# Altium PCB PCB SOM AM625.PcbDoc (part 5 of 6)
Units mm, origin at the board's own origin, x right, y up, seen from the top; angles counter-clockwise.
Board outline 92 x 91 mm, 6 copper layers (Top Layer, Layer 1, Layer 3, Layer 4, Layer 2, Bottom Layer), stack 1.56 mm thick; 479 components, 370 nets, 1722 pads, 744 vias.
Unrouted connection lines stored in the file: 13.
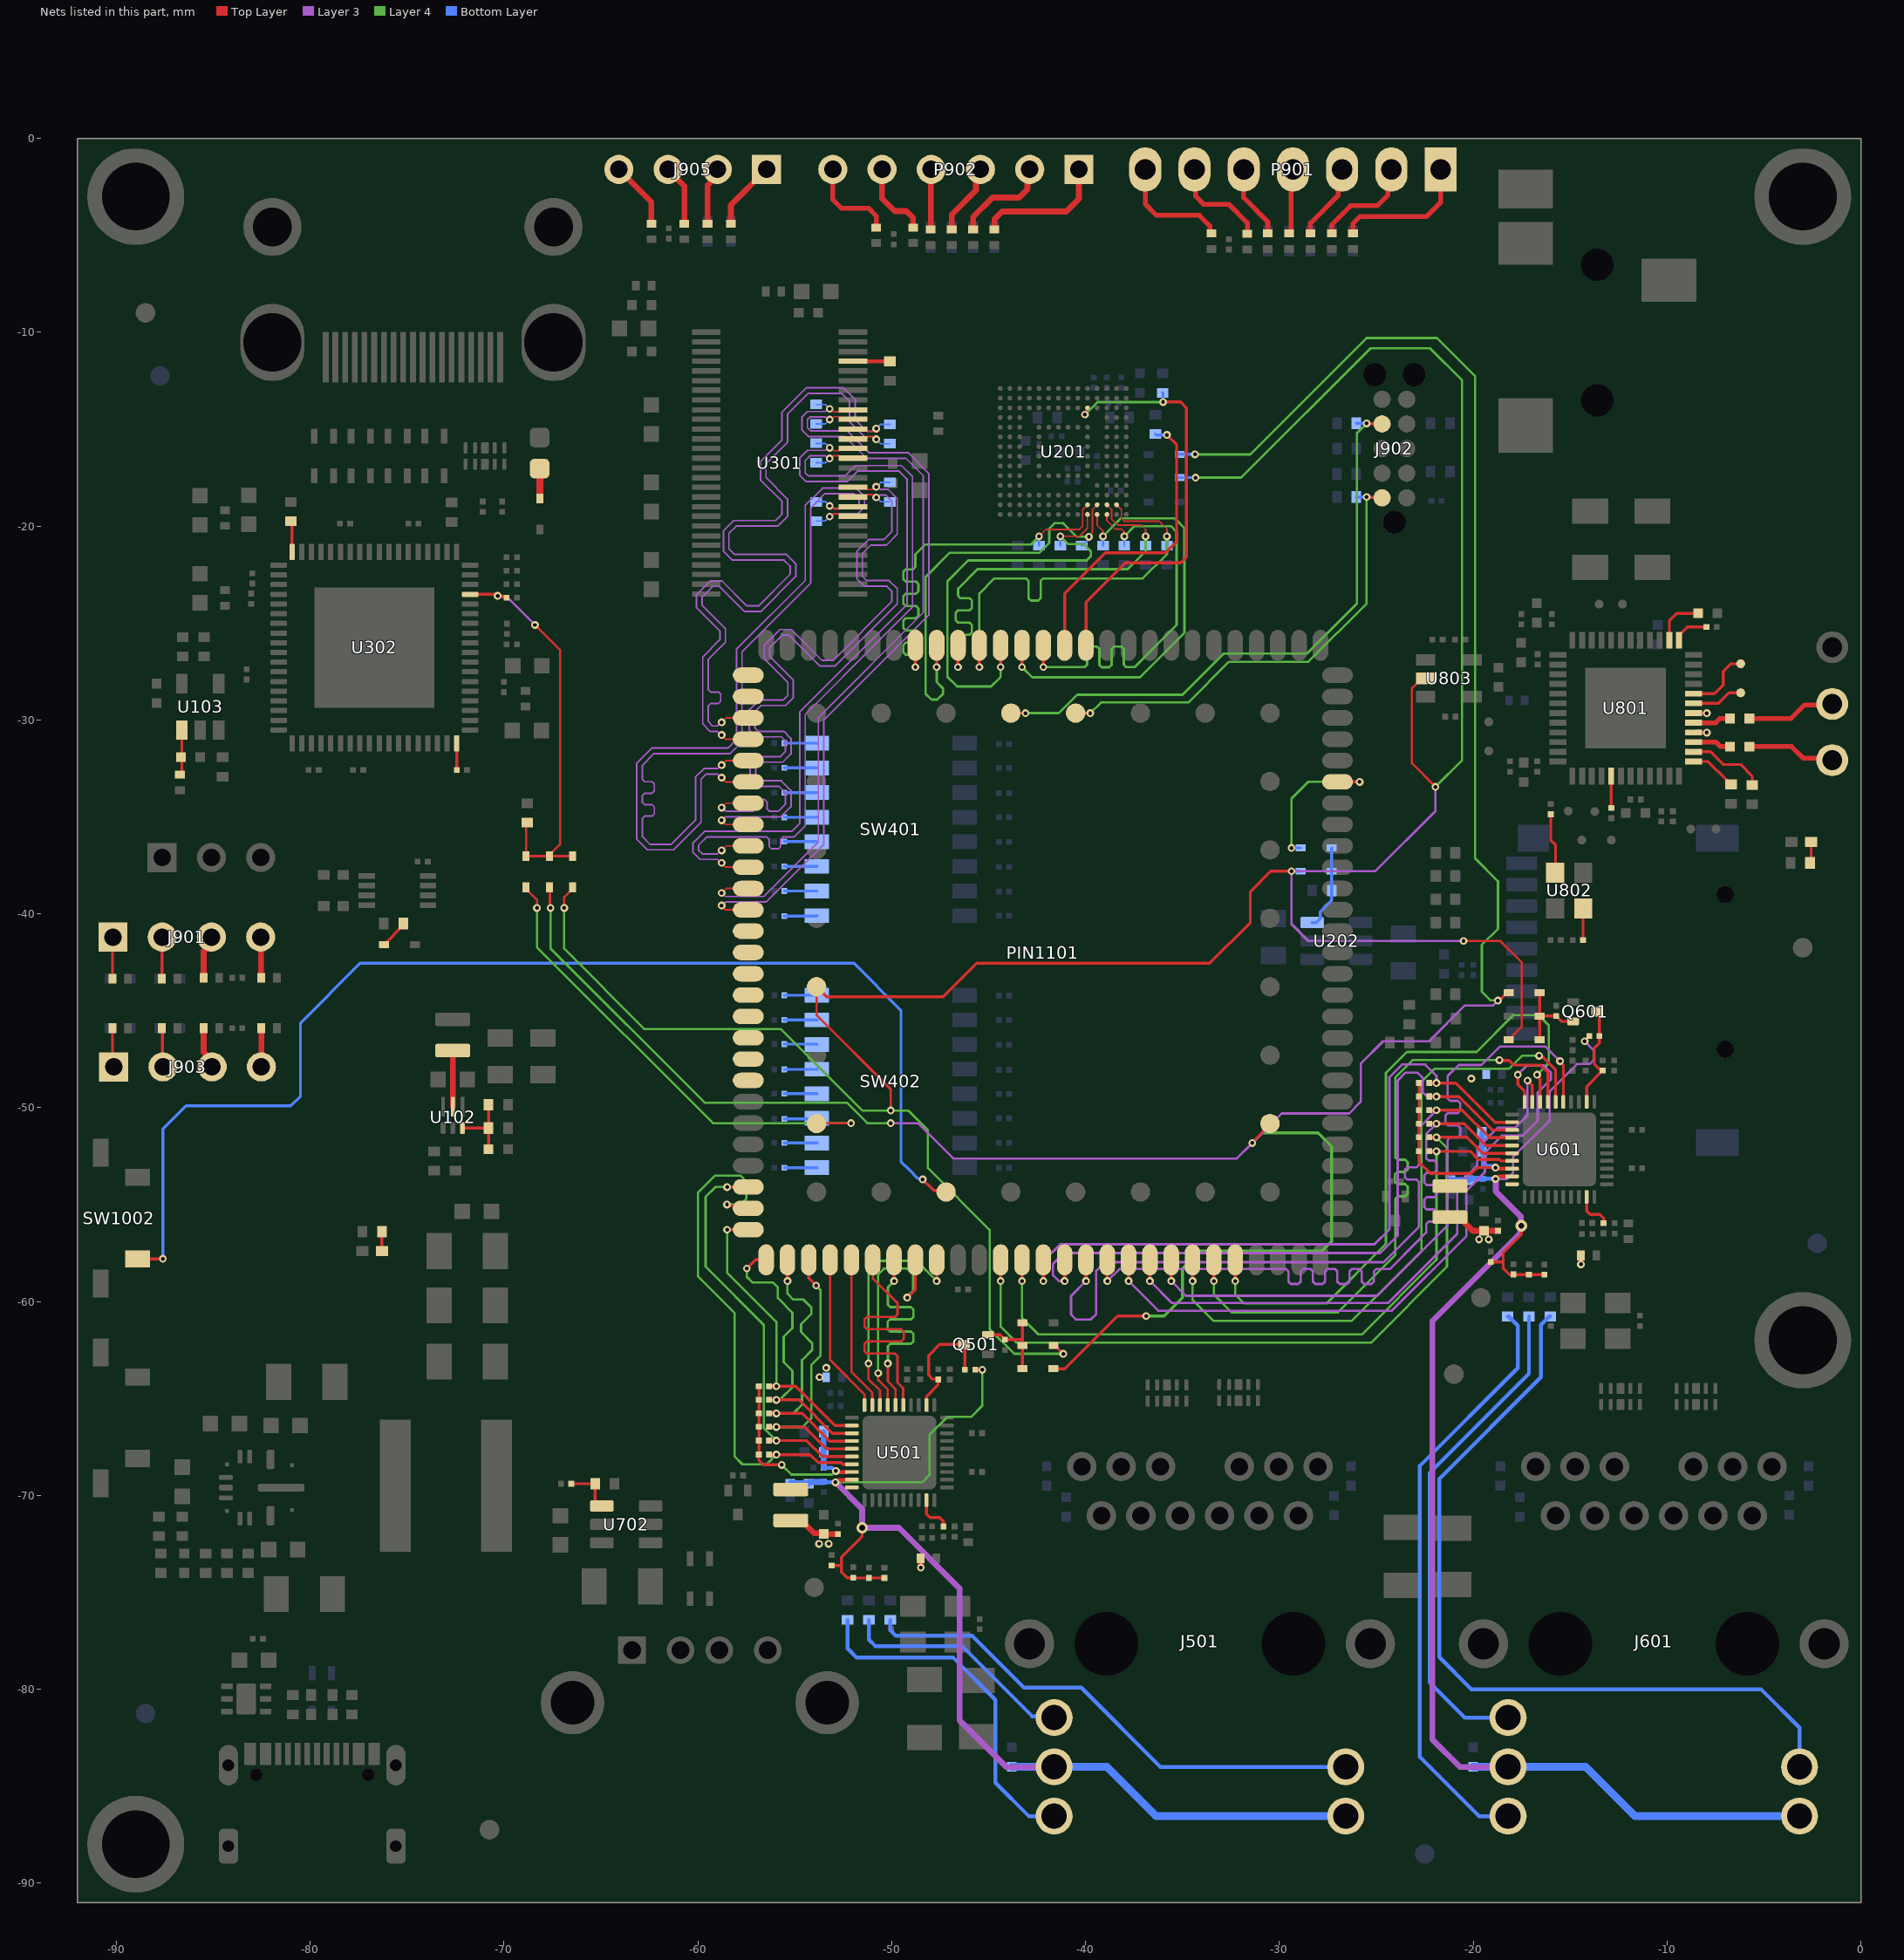
[diagram p9: the nets of this part, all layers, seen from the top]

## Via types
v1: diameter 0.4, hole 0.2, Top Layer to Bottom Layer, tented both sides, 699 vias
v2: diameter 0.8, hole 0.4, Top Layer to Bottom Layer, tented both sides, 41 vias
v3: diameter 0.6, hole 0.3, Top Layer to Bottom Layer, tented both sides, 4 vias

## Nets (pads, with @x,y where several pads share a name; then routed paths per layer and width w, separated by ;. In a path a pad name is that pad's centre, name@x,y a point inside that pad or via, vN(x,y) a via of type N, cw(c..) or ccw(c..) an arc to the next point about the centre after c; other vN are vias at no path point) (continued)
NetC113_1: C113.1 R109.1 R110.1 U102.3 | length 3.6
  Top Layer w0.15: U102.3@-72.145,-51.052 -70.802,-51.052 R109.1@-70.8,-51.05 ; C113.1@-70.8,-52.15 R109.1@-70.8,-51.05 ; R110.1@-70.8,-49.85 R109.1@-70.8,-51.05
NetC116_1: C116.1 FB101.2 U103.1 | length 2.3
  Top Layer w0.15: FB101.2@-86.725,-32.825 -86.625,-32.725 U103.1@-86.625,-30.525
NetC705_1: C705.1 R703.2 U702.1 | length 2.6
  Top Layer w0.15: C705.1@-66.535,-69.4 R703.2@-65.3,-69.4 -65.3,-70.335 -65.085,-70.55 U702.1@-64.955,-70.55
NetC811_1: C811.1 U801.3 | length 2
  Top Layer w0.25: U801.3@-8.631,-31.144 -7.481,-31.144 -7.25,-31.375 C811.1@-6.75,-31.375
NetC811_2: C811.2 TP801.1 | length 4.6
  Top Layer w0.25: C811.2@-5.75,-31.375 -3.575,-31.375 -2.975,-31.975 -1.575,-31.975 TP801.1@-1.475,-32.075
NetC812_1: C812.1 U801.5 | length 2
  Top Layer w0.25: U801.5@-8.631,-30.144 -7.494,-30.144 -7.275,-29.925 C812.1@-6.75,-29.925
NetC812_2: C812.2 TP802.1 | length 4.6
  Top Layer w0.25: C812.2@-5.75,-29.925 -3.6,-29.925 -2.9,-29.225 -1.525,-29.225 TP802.1@-1.475,-29.175
NetC813_1: C813.1 U801.4 | length 1.1
  Top Layer w0.15: U801.4@-8.631,-30.643 -8.628,-30.647 -7.953,-30.647 v1(-7.95,-30.65)
  Bottom Layer w0.15: C813.1@-8.36,-30.65 v1(-7.95,-30.65)
NetC814_1: C814.1 U801.6 | length 1.1
  Top Layer w0.15: U801.6@-8.631,-29.643 -8.628,-29.647 -7.953,-29.647 v1(-7.95,-29.65)
  Bottom Layer w0.15: C814.1@-8.36,-29.65 v1(-7.95,-29.65)
NetC817_2: C817.2 U801.14 | length 2.7
  Top Layer w0.15: U801.14@-9.881,-25.893 -9.881,-24.881 -9.5,-24.5 C817.2@-8.4,-24.5
NetD204_1: D204.1 D205.1 R214.1 U202.3 | length 4.4
  Bottom Layer w0.15: U202.3@-28.31,-40.45 -28.098,-40.45 -27.883,-40.235 -27.883,-39.883 -27.3,-39.3 R214.1@-27.3,-38.8 D205.1@-27.3,-37.8 D204.1@-27.3,-36.6
NetD301_2: D301.2 F301.1 | length 1.5
  Top Layer w0.35: F301.1@-68.164,-17.034 -68.153,-17.046 -68.153,-18.572 D301.2@-68.15,-18.575
NetD503_1: D503.1 D504.1 D505.1 Q501.2 R524.1 | length 4.3
  Top Layer w0.15: Q501.2@-45.03,-61.725 -44.4,-61.725 R524.1@-44.155,-61.97 -43.255,-61.97 ; D504.1@-43.255,-63.47 D503.1@-43.255,-61.07
NetD603_1: D603.1 D604.1 D605.1 Q601.2 R624.1 | length 4.3
  Top Layer w0.15: D605.1@-16.575,-46.5 D603.1@-16.575,-45.275 ; D604.1@-16.575,-44.075 D603.1@-16.575,-45.275 ; Q601.2@-14.845,-45.55 -15.45,-45.55 R624.1@-15.725,-45.275 D603.1@-16.575,-45.275
NetD905_2: D905.2 R907.2 | length 1.6
  Top Layer w0.15: D905.2@-76.2,-41.6 -76.124,-41.6 -76.021,-41.497 -76.021,-41.421 -75.375,-40.775 -75.375,-40.675 R907.2@-75.2,-40.5
NetFB901_1: FB901.1 J901.1 | length 2.1
  Top Layer w0.15: FB901.1@-90.2,-43.34 -90.2,-41.22 J901.1@-90.18,-41.2
NetFB902_1: FB902.1 J901.2 | length 2.1
  Top Layer w0.15: FB902.1@-87.65,-43.34 -87.645,-43.335 -87.645,-41.205 J901.2@-87.64,-41.2
NetFB903_1: FB903.1 J901.3 | length 2.3
  Top Layer w0.3: FB903.1@-85.5,-43.3 -85.5,-41.925 -85.1,-41.525 J901.3@-85.1,-41.2
NetFB904_1: FB904.1 J901.4 | length 2.1
  Top Layer w0.3: J901.4@-82.56,-41.2 -82.543,-41.217 -82.543,-43.282 FB904.1@-82.525,-43.3
NetFB905_1: FB905.1 J903.1 | length 2
  Top Layer w0.15: FB905.1@-90.2,-45.9 -90.2,-47.84 J903.1@-90.14,-47.9
NetFB906_1: FB906.1 J903.2 | length 2
  Top Layer w0.15: FB906.1@-87.65,-45.9 -87.625,-45.925 -87.625,-47.875 J903.2@-87.6,-47.9
NetFB907_1: FB907.1 J903.3 | length 2.2
  Top Layer w0.3: FB907.1@-85.5,-45.9 -85.5,-47.135 -85.06,-47.575 J903.3@-85.06,-47.9
NetFB908_1: FB908.1 J903.4 | length 2
  Top Layer w0.3: FB908.1@-82.525,-45.9 -82.522,-45.902 -82.522,-47.897 J903.4@-82.52,-47.9
NetFB909_1: FB909.1 J905.1 | length 3.6
  Top Layer w0.3: FB909.1@-58.3,-4.4 -58.3,-3.44 J905.1@-56.46,-1.6
NetFB910_1: FB910.1 J905.2 | length 3
  Top Layer w0.3: FB910.1@-59.5,-4.4 -59.5,-2.425 -59,-1.925 J905.2@-59,-1.6
NetFB911_1: FB911.1 J905.3 | length 3.1
  Top Layer w0.3: J905.3@-61.54,-1.6 -61.54,-1.617 -60.7,-2.457 FB911.1@-60.7,-4.4
NetFB912_1: FB912.1 J905.4 | length 3.5
  Top Layer w0.3: J905.4@-64.08,-1.6 -62.4,-3.28 FB912.1@-62.4,-4.4
NetFB913_1: FB913.1 P901.1 | length 7.2
  Top Layer w0.25: FB913.1@-26.2,-4.9 -26.2,-4.385 -25.84,-4.025 -22.4,-4.025 -21.68,-3.305 P901.1@-21.68,-1.6
NetFB914_1: FB914.1 P902.1 | length 6.8
  Top Layer w0.3: FB914.1@-44.7,-4.7 -44.7,-4.175 -44.3,-3.775 -41,-3.775 -40.34,-3.115 P902.1@-40.34,-1.6
NetFB915_1: FB915.1 P901.2 | length 5.4
  Top Layer w0.25: FB915.1@-27.3,-4.9 -27.3,-4.45 -26.325,-3.475 -24.95,-3.475 -24.405,-2.93 -24.405,-1.785 P901.2@-24.22,-1.6
NetFB916_1: FB916.1 P902.2 | length 4.9
  Top Layer w0.3: FB916.1@-45.8,-4.7 -45.8,-4.05 -44.8,-3.05 -43.425,-3.05 -43,-2.625 P902.2@-43,-1.72
NetFB917_1: FB917.1 P901.3 | length 4
  Top Layer w0.25: FB917.1@-28.4,-4.9 -28.4,-4.375 -26.975,-2.95 -26.975,-1.815 P901.3@-26.76,-1.6
NetFB918_1: FB918.1 P902.3 | length 3.4
  Top Layer w0.3: FB918.1@-46.9,-4.7 -46.9,-3.925 -45.65,-2.675 P902.3@-45.65,-1.83
NetFB919_1: FB919.1 P901.4 | length 3.4
  Top Layer w0.25: FB919.1@-29.5,-4.9 -29.475,-4.9 -29.4,-4.825 -29.4,-1.7 P901.4@-29.3,-1.6
NetFB920_1: FB920.1 P902.4 | length 3.1
  Top Layer w0.3: FB920.1@-48,-4.7 -47.98,-4.68 P902.4@-47.98,-1.62
NetFB921_1: FB921.1 P901.5 | length 3.8
  Top Layer w0.25: P901.5@-31.84,-1.6 -31.84,-3.06 -30.6,-4.3 FB921.1@-30.6,-4.9
NetFB922_1: FB922.1 P902.5 | length 4
  Top Layer w0.3: P902.5@-50.5,-1.6 -50.5,-3.1 -49.85,-3.75 -49.25,-3.75 -48.9,-4.1 FB922.1@-48.9,-4.6
NetFB923_1: FB923.1 P901.6 | length 5.2
  Top Layer w0.25: P901.6@-34.38,-1.6 -34.328,-1.652 -34.328,-2.972 -33.9,-3.4 -32.6,-3.4 -31.65,-4.35 FB923.1@-31.65,-4.925
NetFB924_1: FB924.1 P902.6 | length 4.7
  Top Layer w0.25: P902.6@-53.04,-1.6 -53.04,-3.16 -52.6,-3.6 -51.2,-3.6 -50.8,-4 FB924.1@-50.8,-4.6
NetFB925_1: FB925.1 P901.7 | length 6
  Top Layer w0.25: P901.7@-36.92,-1.6 -36.92,-3.38 -36.333,-3.967 -34.127,-3.967 -33.587,-4.507 -33.587,-4.825 -33.512,-4.9 FB925.1@-33.5,-4.9
NetJ501_13: J501.13 R508.2 | length 26.9
  Bottom Layer w0.2: R508.2@-50.075,-76.425 -50.075,-76.95 -49.775,-77.25 -45.85,-77.25 -43.175,-79.925 -40.225,-79.925 -36.143,-84.007 J501.13@-26.582,-84.007
NetJ501_15: J501.15 R506.2 | length 12.2
  Bottom Layer w0.2: R506.2@-51.175,-76.425 -51.175,-77.45 -50.85,-77.775 -46.375,-77.775 -42.754,-81.396 -41.689,-81.396 J501.15@-41.618,-81.467
NetJ501_17: J501.17 R507.2 | length 18.2
  Bottom Layer w0.2: R507.2@-52.275,-76.425 -52.275,-77.9 -51.8,-78.375 -46.825,-78.375 -44.65,-80.55 -44.65,-84.825 -42.928,-86.547 J501.17@-41.618,-86.547
NetJ601_13: J601.13 R608.2 | length 42.1
  Bottom Layer w0.2: R608.2@-16.025,-60.775 -16.075,-60.775 -16.5,-61.2 -16.5,-63.9 -21.75,-69.15 -21.75,-78.35 -20.1,-80 -5.15,-80 -3.163,-81.987 J601.13@-3.163,-84.007
NetJ601_15: J601.15 R606.2 | length 25.8
  Bottom Layer w0.2: J601.15@-18.2,-81.467 -20.433,-81.467 -22.25,-79.65 -22.25,-68.85 -17.125,-63.725 R606.2@-17.125,-60.775
NetJ601_17: J601.17 R607.2 | length 30.9
  Bottom Layer w0.2: R607.2@-18.225,-60.775 -18.175,-60.775 -17.7,-61.25 -17.7,-63.425 -22.75,-68.475 -22.75,-83.5 -19.703,-86.547 J601.17@-18.2,-86.547
NetL102_1: L102.1 U102.5 | length 2.9
  Top Layer w0.3: L102.1@-72.65,-47.05 -72.645,-47.055 U102.5@-72.645,-49.952
NetLED1001_1: LED1001.1 R1001.1 | length 1.1
  Top Layer w0.15: R1001.1@-2.625,-37.375 -2.567,-37.317 LED1001.1@-2.567,-36.3
NetLED1002_1: LED1002.1 R1002.1 | length 1
  Top Layer w0.15: R1002.1@-76.3,-56.4 -76.3,-57.392 LED1002.1@-76.292,-57.4
NetR309_1: R309.1 U302.72 | length 1.6
  Top Layer w0.15: R309.1@-81,-19.75 -80.939,-19.811 U302.72@-80.939,-21.334
NetR313_2: R313.2 U302.36 | length 1.4
  Top Layer w0.15: R313.2@-72.44,-32.575 U302.36@-72.439,-31.204
NetR401_1: R401.1 SW401.16 | length 1.7
  Bottom Layer w0.15: R401.1@-55.535,-31.2 -53.865,-31.2 SW401.16@-53.86,-31.205
NetR402_1: R402.1 SW401.15 | length 1.7
  Bottom Layer w0.15: R402.1@-55.535,-32.475 SW401.15@-53.86,-32.475
NetR403_1: R403.1 SW401.14 | length 1.7
  Bottom Layer w0.15: R403.1@-55.535,-33.75 -53.865,-33.75 SW401.14@-53.86,-33.745
NetR404_1: R404.1 SW401.13 | length 1.7
  Bottom Layer w0.15: R404.1@-55.535,-35.025 -53.87,-35.025 SW401.13@-53.86,-35.015
NetR405_1: R405.1 SW401.12 | length 1.7
  Bottom Layer w0.15: R405.1@-55.535,-36.275 -53.87,-36.275 SW401.12@-53.86,-36.285
NetR406_1: R406.1 SW401.11 | length 1.7
  Bottom Layer w0.15: R406.1@-55.535,-37.55 -53.865,-37.55 SW401.11@-53.86,-37.555
NetR407_1: R407.1 SW401.10 | length 1.7
  Bottom Layer w0.15: R407.1@-55.535,-38.825 SW401.10@-53.86,-38.825
NetR408_1: R408.1 SW401.9 | length 1.7
  Bottom Layer w0.15: R408.1@-55.535,-40.125 -53.89,-40.125 SW401.9@-53.86,-40.095
NetR409_1: R409.1 SW402.16 | length 1.7
  Bottom Layer w0.15: R409.1@-55.535,-44.2 -53.865,-44.2 SW402.16@-53.86,-44.205
NetR410_1: R410.1 SW402.15 | length 1.7
  Bottom Layer w0.15: R410.1@-55.535,-45.475 SW402.15@-53.86,-45.475
NetR411_1: R411.1 SW402.14 | length 1.7
  Bottom Layer w0.15: R411.1@-55.535,-46.725 -53.88,-46.725 SW402.14@-53.86,-46.745
NetR412_1: R412.1 SW402.13 | length 1.7
  Bottom Layer w0.15: R412.1@-55.535,-48.025 -53.87,-48.025 SW402.13@-53.86,-48.015
NetR413_1: R413.1 SW402.12 | length 1.7
  Bottom Layer w0.15: R413.1@-55.535,-49.275 -53.87,-49.275 SW402.12@-53.86,-49.285
NetR414_1: R414.1 SW402.11 | length 1.7
  Bottom Layer w0.15: R414.1@-55.535,-50.575 -53.88,-50.575 SW402.11@-53.86,-50.555
NetR415_1: R415.1 SW402.10 | length 1.7
  Bottom Layer w0.15: R415.1@-55.535,-51.825 SW402.10@-53.86,-51.825
NetR416_1: R416.1 SW402.9 | length 1.7
  Bottom Layer w0.15: R416.1@-55.535,-53.1 -53.865,-53.1 SW402.9@-53.86,-53.095
NetR803_2: R803.2 U801.13 | length 1.9
  Top Layer w0.15: U801.13@-9.381,-25.893 -9.381,-25.614 -9.304,-25.537 -9.289,-25.537 -8.952,-25.2 R803.2@-7.965,-25.2
NetR804_2: R804.2 U801.41 | length 1.6
  Top Layer w0.15: U801.41@-12.881,-32.894 -12.878,-32.897 -12.878,-34.532 R804.2@-12.875,-34.535
NetR805_2: R805.2 U801.2 | length 4
  Top Layer w0.15: U801.2@-8.631,-31.643 -7.761,-31.643 -7.105,-32.3 -6.2,-32.3 -5.607,-32.893 R805.2@-5.607,-33.35
NetR806_2: R806.2 U801.1 | length 2.4
  Top Layer w0.15: U801.1@-8.631,-32.144 -7.881,-32.144 -6.925,-33.1 -6.925,-33.15 -6.75,-33.325 R806.2@-6.7,-33.325
NetR807_1: R807.1 U802.1 | length 1.6
  Top Layer w0.15: R807.1@-14.335,-41.35 -14.335,-39.735 U802.1@-14.325,-39.725
NetR808_2: R808.2 U802.3 | length 3.1
  Top Layer w0.15: R808.2@-16,-34.865 -16,-36.2 -15.75,-36.45 -15.75,-37.85 U802.3@-15.775,-37.875
NetTP804_1: TP804.1 U801.7 | length 2.7
  Top Layer w0.15: U801.7@-8.631,-29.144 -7.344,-29.144 -6.8,-28.6 TP804.1@-6.2,-28.6
NetTP805_1: TP805.1 U801.8 | length 3.5
  Top Layer w0.15: U801.8@-8.631,-28.643 -7.543,-28.643 -7.1,-28.2 -7.1,-27.5 -6.7,-27.1 TP805.1@-6.2,-27.1
OLDI0_A0_N: PIN1101.49 R303.2 U301.9 | length 40.5
  Top Layer w0.084: v1(-58.775,-32.975) -58.775,-33 -58.581,-33.194 PIN1101.49@-57.4,-33.194 ; v1(-53.2,-19.508) -53.138,-19.508 -52.993,-19.362 -52.724,-19.362 -52.597,-19.489 U301.9@-52,-19.489
  Layer 3 w0.084: v1(-58.775,-32.975) -58.801,-32.975 -58.982,-32.794 -59.569,-32.794 -59.838,-33.063 -59.838,-35.288 -61.25,-36.7 -62.6,-36.7 -63.15,-36.15 -63.15,-32.219 -62.381,-31.45 -58.45,-31.45 -58.012,-31.012 -58.012,-26.356 -54.462,-22.806 -54.462,-18.931 -53.569,-18.038 -51.837,-18.038 -51.4,-18.475 -51.4,-19.025 -51.751,-19.376 -52.993,-19.376 -53.124,-19.508 v1(-53.2,-19.508)
  Bottom Layer w0.084: R303.2@-53.9,-19.733 -53.425,-19.733 v1(-53.2,-19.508)
OLDI0_A0_P: PIN1101.50 R303.1 U301.10 | length 40.5
  Top Layer w0.084: v1(-58.775,-32.325) -58.544,-32.094 PIN1101.50@-57.4,-32.094 ; v1(-53.2,-18.958) -53.143,-18.958 -52.993,-19.108 -52.724,-19.108 -52.597,-18.981 U301.10@-52,-18.981
  Layer 3 w0.084: v1(-58.775,-32.325) -58.801,-32.325 -58.982,-32.506 -59.687,-32.506 -60.125,-32.944 -60.125,-35.169 -61.369,-36.413 -62.481,-36.413 -62.863,-36.031 -62.863,-35.714 -62.863,-35.08 -62.745,-34.962 -62.364,-34.962 -62.245,-34.844 -62.245,-34.489 -62.364,-34.37 -62.745,-34.37 -62.863,-34.252 -62.863,-33.897 -62.745,-33.778 -62.364,-33.778 -62.245,-33.66 -62.245,-33.305 -62.364,-33.187 -62.745,-33.187 -62.863,-33.068 -62.863,-33 -62.863,-32.338 -62.262,-31.737 -58.331,-31.737 -57.725,-31.131 -57.725,-26.475 -54.175,-22.925 -54.175,-19.05 -53.45,-18.325 -51.956,-18.325 -51.687,-18.594 -51.687,-18.906 -51.87,-19.089 -52.993,-19.089 -53.124,-18.958 v1(-53.2,-18.958)
  Bottom Layer w0.084: R303.1@-53.9,-18.733 -53.425,-18.733 v1(-53.2,-18.958)
OLDI0_A1_N: PIN1101.48 R304.2 U301.11 | length 40.5
  Top Layer w0.084: v1(-58.775,-34.525) -58.544,-34.294 PIN1101.48@-57.4,-34.294 ; U301.11@-52,-18.499 -51.403,-18.499 -51.276,-18.372 -51.007,-18.372 -50.857,-18.522 v1(-50.8,-18.522)
  Layer 3 w0.084: v1(-58.775,-34.525) -58.749,-34.525 -58.568,-34.706 -57.185,-34.706 -57.143,-34.706 -57.025,-34.588 -57.025,-34.223 -56.907,-34.104 -56.551,-34.104 -56.433,-34.223 -56.433,-34.588 -56.315,-34.706 -55.948,-34.706 -55.837,-34.706 -55.487,-34.356 -55.487,-33.75 -55.812,-33.425 -57.075,-33.425 -57.3,-33.2 -57.3,-32.125 -57.063,-31.888 -55.738,-31.888 -55.487,-31.637 -55.487,-31.075 -55.687,-30.875 -57,-30.875 -57.35,-30.525 -57.35,-29.469 -56.844,-28.963 -55.594,-28.963 -55.362,-28.731 -55.362,-28.063 -56.575,-26.85 -56.575,-26.15 -55.763,-25.338 -55.181,-25.338 -53.594,-26.925 -53.031,-26.925 -50,-23.894 -50,-23.35 -50.25,-23.1 -51.4,-23.1 -51.8,-22.7 -51.8,-21.3 -51.197,-20.697 -50.403,-20.697 -50,-20.294 -50,-18.706 -50.315,-18.391 -50.593,-18.391 -50.724,-18.522 v1(-50.8,-18.522)
  Bottom Layer w0.084: v1(-50.8,-18.522) -50.575,-18.747 R304.2@-50.1,-18.747
OLDI0_A1_P: PIN1101.47 R304.1 U301.12 | length 40.5
  Top Layer w0.084: v1(-58.775,-35.175) -58.775,-35.2 -58.581,-35.394 PIN1101.47@-57.4,-35.394 ; U301.12@-52,-17.991 -51.403,-17.991 -51.276,-18.118 -51.007,-18.118 -50.862,-17.972 v1(-50.8,-17.972)
  Layer 3 w0.084: v1(-58.775,-35.175) -58.749,-35.175 -58.568,-34.994 -55.719,-34.994 -55.2,-34.475 -55.2,-33.631 -55.693,-33.138 -56.956,-33.138 -57.013,-33.081 -57.013,-32.244 -56.944,-32.175 -55.619,-32.175 -55.2,-31.756 -55.2,-30.956 -55.568,-30.588 -56.881,-30.588 -57.063,-30.406 -57.063,-29.588 -56.725,-29.25 -55.475,-29.25 -55.075,-28.85 -55.075,-27.944 -56.288,-26.731 -56.288,-26.269 -55.644,-25.625 -55.3,-25.625 -53.713,-27.212 -52.912,-27.212 -49.713,-24.013 -49.713,-23.231 -50.131,-22.813 -51.281,-22.813 -51.513,-22.581 -51.513,-21.419 -51.078,-20.984 -50.284,-20.984 -49.713,-20.413 -49.713,-18.587 -50.196,-18.104 -50.593,-18.104 -50.724,-17.972 v1(-50.8,-17.972)
  Bottom Layer w0.084: v1(-50.8,-17.972) -50.575,-17.747 R304.1@-50.1,-17.747
OLDI0_A2_N: PIN1101.46 R305.2 U301.15 | length 40.5
  Top Layer w0.084: v1(-58.775,-36.725) -58.544,-36.494 PIN1101.46@-57.4,-36.494 ; v1(-53.2,-16.51) -53.138,-16.51 -52.993,-16.365 -52.724,-16.365 -52.597,-16.492 U301.15@-52,-16.492
  Layer 3 w0.084: v1(-58.775,-36.725) -58.801,-36.725 -58.982,-36.906 -59.769,-36.906 -59.963,-36.713 -59.963,-36.463 -59.537,-36.037 -57.075,-36.037 -56.441,-36.037 -56.323,-36.155 -56.323,-36.531 -56.205,-36.649 -55.849,-36.649 -55.731,-36.531 -55.731,-36.155 -55.613,-36.037 -55.3,-36.037 -55.037,-36.037 -54.463,-35.463 -54.463,-29.713 -50.537,-25.787 -48.925,-24.175 -48.925,-17.45 -49.5,-16.875 -51.875,-16.875 -52.413,-17.413 -54.306,-17.413 -54.463,-17.256 -54.463,-16.619 -54.223,-16.379 -53.994,-16.379 -53.407,-16.379 -53.276,-16.51 v1(-53.2,-16.51)
  Bottom Layer w0.084: R305.2@-53.9,-16.735 -53.425,-16.735 v1(-53.2,-16.51)
OLDI0_A2_P: PIN1101.45 R305.1 U301.16 | length 40.5
  Top Layer w0.084: v1(-58.775,-37.375) -58.775,-37.4 -58.581,-37.594 PIN1101.45@-57.4,-37.594 ; v1(-53.2,-15.96) -53.143,-15.96 -52.993,-16.111 -52.724,-16.111 -52.597,-15.984 U301.16@-52,-15.984
  Layer 3 w0.084: v1(-58.775,-37.375) -58.801,-37.375 -58.982,-37.194 -59.888,-37.194 -60.25,-36.832 -60.25,-36.344 -59.656,-35.75 -55.3,-35.75 -55.156,-35.75 -54.75,-35.344 -54.75,-29.594 -50.656,-25.5 -49.212,-24.056 -49.212,-17.569 -49.619,-17.162 -51.756,-17.162 -52.294,-17.7 -54.425,-17.7 -54.75,-17.375 -54.75,-16.5 -54.342,-16.092 -53.875,-16.092 -53.407,-16.092 -53.276,-15.96 v1(-53.2,-15.96)
  Bottom Layer w0.084: R305.1@-53.9,-15.735 -53.425,-15.735 v1(-53.2,-15.96)
OLDI0_A3_N: PIN1101.43 R306.2 U301.19 | length 40.5
  Top Layer w0.084: v1(-58.775,-39.575) -58.775,-39.6 -58.581,-39.794 PIN1101.43@-57.4,-39.794 ; v1(-53.2,-14.504) -53.138,-14.504 -52.993,-14.358 -52.724,-14.358 -52.597,-14.485 U301.19@-52,-14.485
  Layer 3 w0.084: v1(-58.775,-39.575) -58.749,-39.575 -58.568,-39.394 -56.488,-39.394 -53.5,-36.406 -53.5,-30 -48.088,-24.588 -48.088,-17.281 -49.156,-16.213 -51.181,-16.213 -52.306,-15.088 -54.181,-15.088 -54.35,-14.919 -54.35,-14.5 -54.222,-14.372 -53.407,-14.372 -53.276,-14.504 v1(-53.2,-14.504)
  Bottom Layer w0.084: R306.2@-53.9,-14.729 -53.425,-14.729 v1(-53.2,-14.504)
OLDI0_A3_P: PIN1101.44 R306.1 U301.20 | length 40.4
  Top Layer w0.084: v1(-58.775,-38.925) -58.544,-38.694 PIN1101.44@-57.4,-38.694 ; v1(-53.2,-13.954) -53.143,-13.954 -52.993,-14.104 -52.724,-14.104 -52.597,-13.977 U301.20@-52,-13.977
  Layer 3 w0.084: v1(-58.775,-38.925) -58.749,-38.925 -58.568,-39.106 -56.606,-39.106 -53.787,-36.287 -53.787,-29.881 -48.375,-24.469 -48.375,-17.4 -49.275,-16.5 -51.3,-16.5 -52.425,-15.375 -54.3,-15.375 -54.637,-15.038 -54.637,-14.381 -54.341,-14.085 -53.407,-14.085 -53.276,-13.954 v1(-53.2,-13.954)
  Bottom Layer w0.084: R306.1@-53.9,-13.729 -53.425,-13.729 v1(-53.2,-13.954)
OLDI0_A4_N: PIN1101.41
OLDI0_A4_P: PIN1101.42
OLDI0_A5_N: PIN1101.40
OLDI0_A5_P: PIN1101.39
OLDI0_A6_N: PIN1101.38
OLDI0_A6_P: PIN1101.37
OLDI0_A7_N: PIN1101.35
OLDI0_A7_P: PIN1101.36
OLDI0_CLK0_N: PIN1101.53
OLDI0_CLK0_P: PIN1101.54
OLDI0_CLK1_N: PIN1101.52 R301.1 U301.17 | length 40.5
  Top Layer w0.084: v1(-58.775,-30.125) -58.544,-29.894 PIN1101.52@-57.4,-29.894 ; U301.17@-52,-15.501 -51.403,-15.501 -51.276,-15.374 -51.007,-15.374 -50.857,-15.525 v1(-50.8,-15.525)
  Layer 3 w0.084: v1(-58.775,-30.125) -58.801,-30.125 -58.982,-30.306 -59.244,-30.306 -59.463,-30.087 -59.463,-29.902 -59.463,-29.268 -59.345,-29.15 -58.942,-29.15 -58.824,-29.032 -58.824,-28.677 -58.942,-28.558 -59.345,-28.558 -59.463,-28.44 -59.463,-27.725 -59.463,-26.869 -58.575,-25.981 -58.575,-25.294 -59.788,-24.081 -59.788,-23.669 -59.231,-23.112 -58.888,-23.112 -57.594,-24.406 -56.756,-24.406 -54.95,-22.6 -54.95,-21.95 -55.437,-21.463 -58.106,-21.463 -58.4,-21.169 -58.4,-20.375 -58.025,-20 -55.875,-20 -55.375,-19.5 -55.375,-18.606 -56.488,-17.493 -56.488,-16.788 -55.375,-15.675 -55.375,-14.231 -54.294,-13.15 -52.6,-13.15 -52.175,-13.575 -52.175,-14.619 -51.4,-15.394 -51.007,-15.394 -50.876,-15.525 v1(-50.8,-15.525)
  Bottom Layer w0.084: v1(-50.8,-15.525) -50.575,-15.75 R301.1@-50.1,-15.75
OLDI0_CLK1_P: PIN1101.51 R301.2 U301.18 | length 40.4
  Top Layer w0.084: v1(-58.775,-30.775) -58.775,-30.8 -58.581,-30.994 PIN1101.51@-57.4,-30.994 ; U301.18@-52,-14.993 -51.403,-14.993 -51.276,-15.12 -51.007,-15.12 -50.862,-14.975 v1(-50.8,-14.975)
  Layer 3 w0.084: v1(-58.775,-30.775) -58.801,-30.775 -58.982,-30.594 -59.362,-30.594 -59.75,-30.206 -59.75,-26.75 -58.862,-25.862 -58.862,-25.413 -60.075,-24.2 -60.075,-23.55 -59.35,-22.825 -58.769,-22.825 -57.476,-24.119 -56.874,-24.119 -55.237,-22.481 -55.237,-22.069 -55.556,-21.75 -58.225,-21.75 -58.687,-21.288 -58.687,-20.256 -58.144,-19.713 -55.994,-19.713 -55.662,-19.381 -55.662,-18.725 -56.775,-17.612 -56.775,-16.669 -55.662,-15.556 -55.662,-14.112 -54.413,-12.863 -52.481,-12.863 -51.888,-13.456 -51.888,-14.5 -51.281,-15.106 -51.007,-15.106 -50.876,-14.975 v1(-50.8,-14.975)